# KiCad board CPU.kicad_pcb (continued)
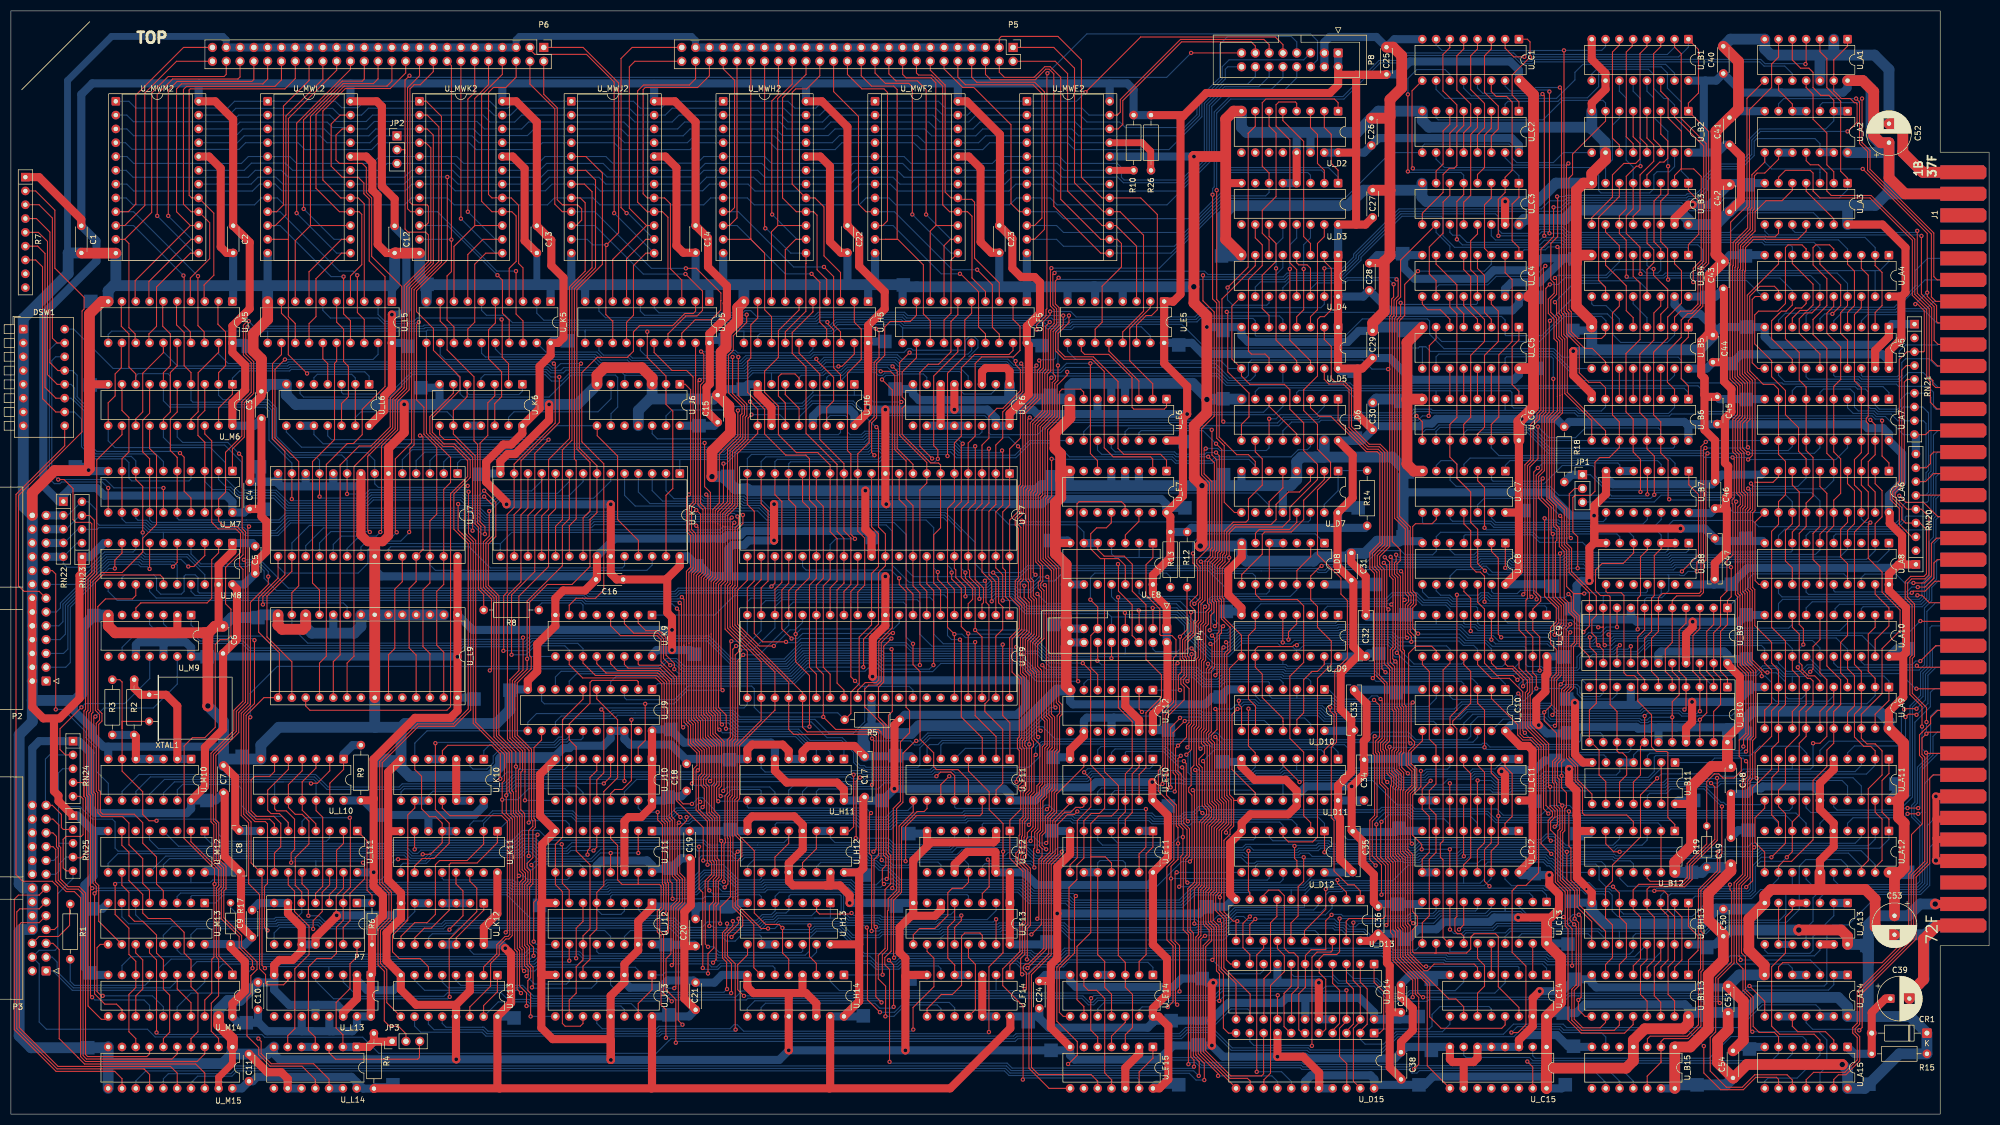
[diagram p0: board, top side]
## Routing (per net, layer and track width the routed paths; a pad name or vN(x,y) marks a point on that pad's centre or on a via; arc(x,y) is an arc through that point) (continued)
  Bottom w0.2: 236.59,63.3 U_D11.4 ; 236.59,63.3 236.53,63.24 236.55,63.22 254.22,63.22 255.96,61.49 260.33,61.49 260.93,62.1 268.84,62.1 269.34,62.6 272.47,62.6 273.57,61.5 274.95,61.5 275.2,61.76 281.55,61.76 282.15,62.36 285.22,62.36 v1(285.33,62.25) 285.63,61.95 301.29,61.95 302.39,63.05 302.39,65.71 302.64,65.96 320.04,65.96 321.77,67.69 329.16,67.69 330.45,66.41 330.45,65.46 ; 236.59,63.3 236.52,63.22 234.13,63.22 233.64,62.74 229.13,62.74 228.49,62.1 217.35,62.1 216.59,62.85 216.59,65.84 v1(216.29,66.14) ; U_K7.3 118,114.72 119.92,112.79 126.8,112.79 127.26,112.34 134.35,112.34 134.71,111.98 137.84,111.98 139.59,110.23 171.76,110.23 174.88,107.1 174.88,100.4 v1(175.64,99.65) ; U_C9.7 267.34,90.35 267.59,90.09 269.49,90.09 270.14,89.44 285.94,89.44 286.72,88.65 v1(286.93,88.65) ; 204.98,84.64 215.43,84.64 216.48,85.69 v1(217.25,85.69) ; 204.98,84.64 205.06,84.71 P4.8 ; 204.98,84.64 191.42,84.64 186.98,89.07 v1(177.42,89.07) ; v1(266.46,33.97) 266.76,34.27 272.61,34.27 273.4,35.07 286.73,35.07 287.63,35.96 v1(287.73,35.96)
DataF.D_{3}: length 416.1
  Top w0.2: v1(258.04,35.13) 257.49,35.68 257.49,47.61 256.58,48.52 256.58,59.29 257.79,60.5 257.79,63.11 256.73,64.16 256.73,75.06 256.42,75.38 256.42,85.25 256.12,85.54 256.12,94.33 v1(256.42,94.63) 256.12,94.92 256.12,99.57 v1(255.79,99.9) ; v1(314.43,20.45) 314.13,20.75 314.13,24.87 317.07,27.81 317.07,41.15 317.07,41.16 317.07,42.54 317.05,42.55 318.65,44.14 318.65,62.3 v1(318.82,62.47) ; P4.6 206.38,88.01 206.35,88.01 206.32,88.05 206.32,93.71 203.8,96.23 203.8,101.12 v1(203.71,101.21) ; v1(180.74,99.65) 181.74,98.65 181.74,94.09 182.5,93.33 182.5,89.22 181.23,87.94 U_F9.39 ; U_BL13.9 289.66,17.99 288.42,19.23 v1(288.42,21.01) 288.93,21.52 288.93,36.26 v1(288.5,36.69)
  Bottom w0.2: v1(314.43,20.45) 314.13,20.75 311.03,20.75 310.47,21.31 288.72,21.31 v1(288.42,21.01) ; v1(288.5,36.69) 288.07,36.69 288.05,36.72 287.42,36.72 286.23,35.52 279.54,35.52 277.79,37.28 274.95,37.28 U_C13.4 ; U_C9.8 264.8,92.89 264.02,93.66 259.68,93.66 258.77,94.57 256.47,94.57 v1(256.42,94.63) ; 340.49,64.8 340.49,64.18 339.33,63.02 319.37,63.02 v1(318.82,62.47) ; U_K7.2 120.54,114.72 122.01,113.25 126.99,113.25 127.44,112.79 134.54,112.79 134.9,112.44 138.03,112.44 139.78,110.68 171.95,110.68 177.42,105.21 177.42,101.26 179.04,99.65 v1(180.74,99.65) 185.83,99.65 187.09,100.91 220.72,100.91 221.69,99.95 230.06,99.95 230.06,99.95 240.25,99.95 240.54,99.66 241.99,99.66 242.53,100.2 255.49,100.2 v1(255.79,99.9) ; v1(258.04,35.13) 261.8,35.13 263.15,36.48 271.64,36.48 272.43,37.28 274.94,37.28 274.94,38.85
DataF.D_{4}: length 390.1
  Top w0.2: v1(175.64,95.27) 175.64,96.95 173.87,98.73 173.87,100.13 173.61,100.39 U_F7.36 173.61,111.42 174.88,112.7 174.88,123.1 v1(175.14,123.36) ; v1(210.1,93.15) 210.14,93.11 P4.3 ; U_C9.13 264.8,82.98 263.53,81.71 263.53,50.26 263.02,49.75 263.02,47.3 263.53,46.79 263.53,32.49 264.78,31.23 ; v1(235.08,87.31) 235.08,88.7 236.59,90.21 U_D9.4
  Bottom w0.2: v1(175.64,95.27) 175.94,95.57 180.28,95.57 180.88,96.17 184.52,96.17 187.24,93.45 209.8,93.45 v1(210.1,93.15) 214.56,93.15 217.29,90.42 217.29,88.85 221.02,85.13 223.75,85.13 226.18,87.55 234.57,87.55 234.82,87.31 v1(235.08,87.31) 235.4,87.62 244.86,87.62 245.04,87.81 253.84,87.81 255.49,86.16 264.17,86.16 264.8,85.52 U_C9.13 ; U_J7.5 72.03,120.44 73.85,122.26 130.99,122.26 132.84,124.11 156.84,124.11 157.49,124.75 160.83,124.75 161.47,124.11 174.38,124.11 v1(175.14,123.36) ; 264.78,31.23 264.78,29.91 264.8,29.9 282.86,29.9 283.33,29.43 297.86,29.43 298.5,30.07 U_BH13.12 298.5,32.74 298.97,33.21 311.93,33.21 313.95,35.23 326.65,35.23 329.06,37.64 329.06,45.64 330.25,46.83 336.76,46.83 337.94,45.65 337.94,43.76
DataF.D_{5}: length 375.5
  Top w0.2: P4.5 207.6,92.62 v1(207.52,92.7) ; v1(178.21,94.82) 178.21,96.93 176.41,98.73 176.41,100 176.15,100.26 U_F7.37 176.15,111.17 177.46,112.48 177.46,122.87 v1(177.42,122.9) ; U_D9.5 234.05,89.4 234.03,89.37 v1(234.03,86.79) ; U_C9.14 267.34,82.73 268.61,81.46 268.61,75.62 265.31,72.31 265.31,71.66 266.07,70.89 266.07,36.37 265.71,36.01 265.71,33.66 266.15,33.22 266.19,33.22 266.19,33.2 266.83,33.2 267.32,32.71 267.32,31.23
  Bottom w0.2: v1(207.52,92.7) 207.22,93 207.16,93 ; U_BH13.11 295.96,33.61 295.91,33.66 ; U_C13.14 267.33,32.94 267.76,33.37 274.99,33.37 275.73,34.11 292.2,34.11 292.65,33.66 311.74,33.66 313.77,35.68 325.45,35.68 326.59,36.83 326.59,40.89 327.79,42.08 U_A12.13 ; U_C9.14 267.34,83.24 266.92,82.82 258.18,82.82 253.65,87.35 245.23,87.35 245.04,87.17 236.17,87.17 235.53,86.54 234.57,86.54 234.32,86.79 v1(234.03,86.79) 233.72,87.1 226.36,87.1 223.94,84.67 220.83,84.67 216.84,88.67 216.84,90.24 214.69,92.38 207.78,92.38 207.16,93 ; 207.16,93 187.05,93 184.33,95.72 181.07,95.72 180.47,95.12 178.51,95.12 v1(178.21,94.82) ; v1(177.42,122.9) 177.12,122.6 174.82,122.6 173.77,123.66 161.29,123.66 160.64,124.3 157.67,124.3 157.03,123.66 133.03,123.66 131.18,121.81 76.14,121.81 74.57,120.23 U_J7.4
DataF.D_{6}: length 380.3
  Top w0.2: U_BH13.10 293.42,33.66 288.64,38.44 288.64,41.44 287.05,43.03 287.05,48.94 286.67,49.32 v1(286.67,55.7) ; P4.7 205.06,92.17 v1(204.98,92.24) ; 274.96,83.86 274.96,82.88 275.42,82.42 276.4,82.42 279.02,79.8 279.02,77.9 278.65,77.53 278.65,71.15 282.01,67.8 282.01,56.19 v1(282.9,55.3) ; v1(180.47,94.36) 180.47,97.97 178.69,99.75 178.69,111.17 179.96,112.45 v1(179.96,122.45)
  Bottom w0.2: 293.44,30.72 293.44,32.23 292.01,33.65 275.92,33.65 274.94,32.68 274.94,31.23 ; v1(282.9,55.3) 283.4,55.8 286.57,55.8 v1(286.67,55.7) 286.97,55.4 325.85,55.4 325.86,55.4 328.45,55.4 330.32,53.52 330.32,51.38 ; U_C9.17 274.96,82.88 274.44,82.37 257.53,82.37 255.77,84.12 254.71,84.12 254.26,84.57 254.26,85.45 253.27,86.45 245.6,86.45 245.42,86.26 237.85,86.26 237.11,85.52 236.59,85.52 ; 236.59,85.52 236.32,85.52 235.8,86.04 233.71,86.04 233.11,86.65 226.55,86.65 224.12,84.22 220.64,84.22 216.38,88.48 216.38,90.05 214.5,91.93 205.3,91.93 v1(204.98,92.24) 204.68,92.54 186.86,92.54 184.14,95.26 181.37,95.26 v1(180.47,94.36) ; 236.59,85.52 U_D9.13 ; v1(179.96,122.45) 179.66,122.15 174.64,122.15 173.58,123.2 161.1,123.2 160.46,123.85 157.86,123.85 157.22,123.2 133.22,123.2 131.37,121.36 78.23,121.36 77.11,120.23 U_J7.3
DataF.D_{7}: length 375.1
  Top w0.2: v1(182.49,94.51) 182.49,99.25 181.23,100.51 U_F7.39 181.23,110.79 182.5,112.06 182.5,121.97 v1(182.38,122.1) ; v1(283.34,50.32) 282.86,50.8 282.86,54.05 283.65,54.84 283.65,55.62 282.46,56.81 282.46,67.99 279.11,71.34 279.11,77.31 279.48,77.68 279.48,80.12 277.5,82.1 U_C9.18 ; U_BH13.9 290.88,35.44 288.19,38.13 288.19,41.25 286.3,43.14 v1(286.3,48.27)
  Bottom w0.2: 79.65,117.87 79.65,120.03 80.52,120.9 131.56,120.9 133.4,122.75 157.41,122.75 158.05,123.39 160.27,123.39 160.91,122.75 173.39,122.75 174.45,121.7 181.97,121.7 v1(182.38,122.1) ; U_D9.12 234.05,82.73 221.49,82.73 215.93,88.29 215.93,89.86 214.32,91.47 202.52,91.47 202.52,91.06 ; 277.48,31.23 277.48,32.68 278.01,33.2 290.2,33.2 290.88,32.52 U_BH13.9 ; v1(182.49,94.51) 184.25,94.51 186.67,92.09 201.89,92.09 202.52,91.46 202.52,91.06 ; 234.06,82.73 234.61,82.73 234.92,82.42 252.33,82.42 252.42,82.51 253.59,82.51 254.19,81.91 276.43,81.91 277.5,82.98 U_C9.18 ; 340.49,51.38 340.49,50.97 339.35,49.84 320.3,49.84 319.65,49.19 314.41,49.19 314.24,49.02 295.61,49.02 294.85,48.27 v1(286.3,48.27) 286.05,48.27 284,50.32 v1(283.34,50.32) ; P4.9 202.52,91.06
DataP.D_{0}: length 648.7
  Top w0.2: 320.93,116.26 320.93,111.05 320.49,110.61 320.49,96.91 320.88,96.52 320.88,89.89 323.98,86.79 323.98,82.98 325.25,81.72 325.25,78.4 ; 320.93,116.26 324.23,116.26 325.25,117.27 325.25,118.53 ; 320.93,116.26 320.93,135.16 319.5,136.59 319.5,150.69 325.25,156.43 U_A4.9 ; v1(321.23,61.8) 320.93,62.1 320.93,66.47 323.98,69.52 323.98,74.22 325.25,75.49 325.25,76.12 325.25,76.13 U_A9.9 ; v1(264.76,60.88) U_C11.11 U_C12.6 ; U_BH13.5 298.5,41.25 299.54,42.29 307.8,42.29 308.89,43.37 308.89,45.91 313.52,50.54 313.52,60.22 v1(312.83,60.91) ; U_M6.3 35.69,129.46 34.42,128.19 34.42,124.89 35.69,123.62 35.69,123.62 U_M7.3 U_M7.18 ; v1(253.1,34.78) 253.4,35.08 253.4,45.92 252.05,47.27 252.05,53.65 v1(252.19,53.79) ; 298.52,25.6 298.52,27.3 299.85,28.63 299.85,36.25 298.52,37.58 298.52,38.85 ; v1(160.2,20.56) 159.15,21.61 159.15,32.87 159.14,32.87 v1(159.14,34.45) 158.83,34.76 158.83,46.86 159.66,47.69 159.66,70.13 159.45,70.34 146.52,70.34 145.67,71.19 U_F9.25 145.67,77.55 133.24,89.99 133.24,96.62 133.7,97.09 133.7,107.71 134.69,108.7 v1(134.69,110.25) ; v1(228.98,35.91) 227.97,34.89 227.97,31.98
  Bottom w0.2: v1(252.19,53.79) 253.48,55.08 256.86,55.08 257.6,54.33 263.73,54.33 264.76,53.3 U_C12.6 ; v1(159.14,34.45) 159.44,34.15 159.55,34.15 159.84,34.43 170.55,34.43 171.01,34.89 181.51,34.89 181.82,35.19 193.86,35.19 194.75,34.31 218.07,34.31 218.22,34.46 222.83,34.46 223.55,35.18 224.26,35.18 225.46,36.37 226.82,36.37 227.59,35.61 228.68,35.61 v1(228.98,35.91) 243.5,35.91 244.17,35.24 245.64,35.24 246.4,34.48 247.42,34.48 248.01,35.08 252.8,35.08 v1(253.1,34.78) ; v1(160.2,20.56) 159.9,20.86 136.89,20.86 135.51,19.48 U_H14.9 ; v1(264.76,60.88) 265.06,60.58 272.56,60.58 273.01,60.14 275.51,60.14 275.77,60.4 282.12,60.4 282.71,60.99 284.23,60.99 284.64,60.58 304.25,60.58 304.87,61.21 312.53,61.21 v1(312.83,60.91) 314.1,60.91 314.45,61.26 319.64,61.26 320.17,61.8 v1(321.23,61.8) 321.33,61.9 338.97,61.9 340.49,60.38 U_A11.18 ; v1(134.69,110.25) 134.5,110.25 133.77,110.98 131.89,110.98 131.29,110.38 106.73,110.38 106.11,109.76 87.47,109.76 86.63,110.59 86.63,110.6 86.17,111.05 50.65,111.05 48.35,113.35 41.75,113.35 40.19,114.91 37.16,114.91 35.69,116.39 U_M7.3
DataP.D_{1}: length 638.7
  Top w0.2: 30.6,134.29 30.6,129.2 29.34,127.94 29.34,122.1 30.61,120.83 30.6,120.82 30.6,111.43 ; v1(323.2,81.27) 322.77,81.27 320.43,83.61 320.43,96.33 320.04,96.72 320.04,110.8 320.48,111.24 320.48,115.73 v1(320.18,116.03) ; 330.32,78.4 330.32,75.36 329.06,74.09 329.06,69.77 326.52,67.23 326.52,60.88 325.25,59.61 325.25,57.18 ; v1(323.94,47.27) 326.52,49.85 326.52,55.3 325.25,56.57 U_A11.12 ; v1(267.34,47.45) 267.3,47.48 U_C12.5 U_C11.12 ; U_BH13.6 295.96,40.7 v1(294.81,41.85) ; U_H14.7 136.7,26.95 136.7,34.87 133.3,38.27 133.3,39.61 133.31,39.62 133.31,47.87 v1(133.73,48.3) ; U_BL13.6 295.96,27.53 297.25,28.82 297.25,35.03 295.98,36.31 295.98,38.85 ; v1(158.71,48.3) 159.2,48.79 159.2,69.44 158.76,69.88 144.04,69.88 143.13,70.79 U_F9.24 143.13,79.45 132.78,89.8 132.78,96.8 133.25,97.27 133.25,107.24 133.25,107.24 133.25,107.9 133.86,108.51 133.86,109.78 v1(133.68,109.97) ; 330.32,118.53 330.32,120.58 328.94,121.97 328.94,126.29 326.52,128.71 326.52,133.15 323.98,135.69 323.98,138.61 320.86,141.73 320.86,147.05 321.57,147.75 325.12,147.75 326.52,149.15 326.52,159.44 327.03,159.94 329.57,159.94 330.33,159.18 330.32,159.18 U_A4.7 ; v1(237.87,47.27) 237.87,42.85 236.86,41.83 236.86,36.49 235.54,35.17 235.54,31.93
  Bottom w0.2: 30.6,110.7 30.6,109.66 30.93,109.33 43.31,109.33 43.32,109.34 49.34,109.34 50.6,110.6 85.98,110.6 86.44,110.14 86.44,110.14 87.28,109.3 106.3,109.3 106.92,109.92 131.48,109.92 132.08,110.52 133.12,110.52 v1(133.68,109.97) ; v1(323.2,81.27) 323.26,81.2 324.87,81.2 326.52,79.56 326.52,76.89 326.98,76.43 329.49,76.43 330.33,77.27 330.33,77.9 ; v1(294.81,41.85) 294.77,41.89 293.45,41.89 292.23,43.1 292.23,45.39 291.62,46 288.8,46 288.5,45.7 284.98,45.7 283.64,47.04 283.22,47.04 282.51,47.75 267.64,47.75 v1(267.34,47.45) 266.96,47.07 259.37,47.07 259.04,46.74 256.53,46.74 256.3,46.97 238.17,46.97 v1(237.87,47.27) 237.84,47.23 227.03,47.23 226.58,47.68 194.47,47.68 193.37,46.59 188.36,46.59 186.8,48.16 183.49,48.16 182.89,47.56 181.72,47.56 181.64,47.64 181.64,47.71 180.74,48.61 174.95,48.61 174.09,47.75 161.87,47.75 161.02,48.6 159.01,48.6 v1(158.71,48.3) 158.41,48.6 137.02,48.6 137.01,48.6 134.03,48.6 v1(133.73,48.3) ; U_BH13.6 295.96,37.6 296.73,36.82 304.24,36.82 304.93,37.52 304.93,40.06 305.44,40.56 319.9,40.56 320.52,41.18 320.52,45.72 322.07,47.27 v1(323.94,47.27) ; U_A6.7 330.32,117.02 328.8,115.5 320.71,115.5 v1(320.18,116.03)
DataP.D_{2}: length 632
  Top w0.2: 20.45,111.43 20.45,120.57 21.72,121.84 21.72,128.18 20.45,129.46 U_M6.9 ; v1(302.91,61.79) 299.85,58.74 299.85,50.98 294.7,45.82 294.7,42.9 293.42,41.63 U_BH13.7 293.42,36.07 294.7,34.8 294.7,28.81 293.42,27.53 U_BL13.7 ; v1(319.66,115.11) 320.02,114.75 320.02,111.43 319.58,110.99 319.58,96.53 319.97,96.14 319.97,83.42 322.16,81.24 v1(322.16,80.59) ; v1(331.6,68.25) 332.87,68.25 334.14,69.52 334.14,74.09 335.4,75.36 U_A9.5 ; v1(241.94,41.41) 241.94,37.67 238.03,33.76 238.03,31.88 ; U_A4.5 335.4,159.18 335.41,159.18 334.65,159.94 332.11,159.94 331.6,159.44 331.6,156.26 334.14,153.72 334.14,148.77 331.6,146.23 331.6,143.43 334.14,140.89 334.14,121.59 335.4,120.33 335.4,118.53 ; U_C11.14 U_C12.3 272.38,49.93 271.15,48.69 271.15,42.85 v1(272.06,41.94) ; v1(133.11,108.82) 132.8,108.51 132.8,107.43 132.79,107.43 132.79,97.46 132.33,96.99 132.33,89.61 140.59,81.35 U_F9.23 140.59,74.34 140.58,74.34 134.09,67.84 134.09,58.05 133.66,57.62 133.66,51.6 136.78,48.47 136.78,37.01 138.88,34.91 141.33,34.91 v1(141.96,34.27) 141.99,34.24 141.99,29.64 143.13,28.5 U_H14.5
  Bottom w0.2: v1(133.11,108.82) 132.92,109.02 107.29,109.02 106.67,108.39 86.91,108.39 86.07,109.23 86.06,109.23 85.61,109.69 50.99,109.69 48.67,107.37 43.51,107.37 42.91,107.97 25.66,107.97 24.81,108.82 21.16,108.82 20.45,109.53 U_M7.12 ; U_A11.8 327.79,63.48 326.72,63.48 ; v1(141.96,34.27) 142.26,33.97 147.25,33.97 147.85,34.57 152.66,34.57 153.41,33.81 153.45,33.81 154.77,32.49 159.82,32.49 160.4,33.07 171.12,33.07 171.57,33.53 182.08,33.53 182.38,33.83 193.3,33.83 195.09,32.04 223.13,32.04 224.41,33.32 237.75,33.32 238.03,33.05 238.03,31.88 ; v1(319.66,115.11) 319.73,115.05 333.82,115.05 335.4,116.63 U_A6.5 ; U_A9.5 335.4,76.98 334.4,75.97 324.74,75.97 323.98,76.73 323.98,79.42 322.81,80.59 v1(322.16,80.59) ; 326.72,63.48 318.76,63.48 317.45,62.17 314.68,62.17 314.25,62.61 303.72,62.61 v1(302.91,61.79) ; 326.72,63.48 331.15,63.48 331.6,63.93 v1(331.6,68.25) ; v1(241.94,41.41) 241.94,41.4 244.77,41.4 244.95,41.58 272.04,41.58 ; 272.04,41.58 281.95,41.58 282.33,41.2 289.04,41.2 289.71,40.53 293.08,40.53 293.42,40.18 U_BH13.7 ; 272.04,41.58 272.06,41.6 v1(272.06,41.94) 272.04,41.91 272.04,41.58
DataP.D_{3}: length 621
  Top w0.2: U_H14.3 148.21,27.74 146.94,29.01 v1(146.94,34.72) ; 25.52,111.43 25.52,120.57 25.53,120.57 24.26,121.84 24.26,127.69 25.52,128.95 U_M6.7 ; v1(132.64,109.77) 132.34,109.47 132.34,107.62 132.34,107.62 132.34,97.65 131.87,97.18 131.87,89.42 138.05,83.25 U_F9.22 138.05,72.45 133.63,68.03 133.63,58.24 133.2,57.81 133.2,51.41 134.5,50.12 134.5,47.42 133.76,46.69 133.76,39.43 133.75,39.42 133.75,38.46 138.06,34.15 v1(139.32,34.15) ; U_A4.3 340.49,155.63 341.76,154.36 341.76,128.41 341.39,128.04 341.39,127.42 341.76,127.04 341.76,121.59 340.49,120.31 340.49,115.75 341.76,114.48 341.76,109.65 339.22,107.11 339.22,82.73 340.49,81.46 340.49,81.45 340.49,74.85 339.22,73.58 339.22,69.39 340.94,67.67 342.21,67.67 343.02,66.86 U_A11.2 ; 301.06,38.87 301.06,41.38 301.51,41.83 307.99,41.83 309.34,43.19 309.34,45.73 313.97,50.35 313.97,61.82 v1(313.93,61.85) ; 301.06,38.85 301.06,37.58 302.39,36.25 302.39,28.37 301.06,27.04 301.06,25.6 ; v1(251.25,53.32) 251.25,47.42 252.95,45.73 252.95,36.46 252.48,35.99 246.21,35.99 245.7,35.48 245.7,31.93 ; v1(269.88,61.39) 269.84,61.36 U_C11.13 U_C12.4
  Bottom w0.2: 146.64,35.02 141.44,35.02 140.57,34.15 v1(139.32,34.15) ; 146.64,35.02 146.94,35.02 ; 146.64,35.02 v1(146.94,34.72) 146.94,35.02 ; 146.94,35.02 152.84,35.02 153.6,34.27 153.63,34.27 154.96,32.94 159.63,32.94 160.22,33.53 170.93,33.53 171.38,33.98 181.89,33.98 182.2,34.29 193.49,34.29 194.38,33.4 218.45,33.4 218.6,33.55 223.35,33.55 224.04,34.23 243.24,34.23 243.6,33.88 244.88,33.88 245.75,33.01 U_D13.19 ; U_M7.14 25.52,109.39 26.04,108.87 43.5,108.87 43.51,108.88 49.53,108.88 50.79,110.14 85.8,110.14 86.25,109.69 86.26,109.69 87.09,108.85 106.48,108.85 107.11,109.47 132.34,109.47 v1(132.64,109.77) ; U_C12.4 269.84,53.48 269.88,53.52 268.61,54.79 257.79,54.79 257.05,55.53 252.84,55.53 251.25,53.94 v1(251.25,53.32) ; 343.02,64.8 343.02,64.18 341.41,62.57 320.3,62.57 319.45,61.72 314.07,61.72 v1(313.93,61.85) ; 313.82,61.74 304.76,61.74 304.06,61.04 284.83,61.04 284.42,61.45 282.53,61.45 281.93,60.85 275.58,60.85 275.33,60.59 273.19,60.59 272.4,61.39 v1(269.88,61.39)
DataP.D_{4}: length 731.9
  Top w0.2: v1(163.45,98.59) 163.45,97.46 164.72,96.19 164.72,74.85 165.36,74.22 165.36,70.16 163.68,68.49 163.68,57.57 162.35,56.24 162.35,41.77 v1(162.17,41.59) ; U_A4.18 340.49,148.39 340.49,148.39 339.22,147.12 339.22,134.93 340.49,133.66 U_A7.18 340.49,121.72 340.49,121.72 339.22,120.45 339.22,115.75 340.49,114.48 U_A6.18 ; U_M14.12 20.45,19.23 19.43,20.24 17.28,20.24 15.4,22.13 v1(15.4,40.61) 15.71,40.92 15.71,41.88 15.1,42.49 15.1,58.77 14.8,59.07 14.8,73.63 15.1,73.93 15.1,98.04 16.72,99.65 20.48,99.65 24.26,103.43 24.26,105.96 26.8,108.5 26.8,121.21 25.52,122.48 U_M6.14 ; 303.6,25.6 303.6,27.04 304.93,28.37 304.93,36.5 303.6,37.83 303.6,38.85 ; v1(342.14,108.85) 341.76,108.47 341.76,102.29 344.3,99.75 344.3,96.06 347.61,92.76 347.61,88.96 344.3,85.65 344.3,77.39 340.49,73.58 U_A9.18 340.49,69.15 341.51,68.12 343.03,68.12 344.3,66.85 344.3,62.41 341.76,59.87 341.76,46.66 340.49,45.38 340.49,43.76 ; v1(227.71,48.44) 227.71,41.07 227.97,40.82 227.97,38.85 ; v1(259.59,48.73) 259.59,49.64 257.94,51.29 257.94,58.72 259.45,60.23 v1(259.45,63.15) ; v1(264.76,48.73) U_C12.11
  Bottom w0.2: v1(342.14,108.85) 341.17,108.85 340.49,109.53 U_A6.18 ; v1(227.71,48.44) 228.01,48.14 236.8,48.14 237.14,48.48 240.54,48.48 241.01,48.94 242,48.94 242.6,48.33 256.87,48.33 257.1,48.1 258.47,48.1 259.1,48.73 v1(259.59,48.73) 264.76,48.73 v1(264.76,48.73) 265.14,49.11 283.92,49.11 285.09,47.94 285.09,47.77 285.8,47.06 286.98,47.06 287.28,47.36 294.85,47.36 295.15,47.06 314.57,47.06 314.94,47.42 319.92,47.42 ; 319.92,47.42 321.58,47.42 322.18,48.02 338.11,48.02 340.49,45.64 340.49,44.48 ; 319.92,47.42 320.06,47.42 320.06,41.46 319.62,41.02 304.37,41.02 303.58,40.23 U_BH13.3 ; v1(259.45,63.15) 260.06,63.15 260.37,63.46 264.33,63.46 264.76,63.9 U_C11.6 ; v1(15.4,40.61) 15.92,41.13 37.97,41.13 38.57,41.73 91.82,41.73 92.21,41.34 109.73,41.34 110.12,41.73 125.65,41.73 127.89,43.97 131.09,43.97 133.35,41.71 133.38,41.74 138.36,41.74 138.82,42.2 154.3,42.2 155.21,41.29 161.87,41.29 v1(162.17,41.59) 162.47,41.29 185.48,41.29 187.52,39.24 194.43,39.24 195.19,38.47 215.35,38.47 217.66,40.78 227.75,40.78 227.97,40.56 227.97,39.8 ; v1(163.45,98.59) 161.94,100.1 146.33,100.1 145.67,100.77 U_F7.25
DataP.D_{5}: length 698.3
  Top w0.2: 306.14,38.85 306.14,37.58 307.47,36.25 307.47,28.37 306.14,27.04 306.14,25.6 ; v1(160.65,42.34) 160.35,42.64 160.35,45.08 160.99,45.72 160.99,47.22 160.57,47.65 160.57,71.49 157.1,74.95 157.1,78.21 157.85,78.95 159.4,78.95 160.15,79.7 160.15,86.78 161.9,88.53 v1(162.3,88.53) ; U_M6.12 20.45,125.01 15.8,120.37 15.8,99.38 14.65,98.22 14.65,74.12 14.35,73.82 14.35,58.88 14.65,58.58 14.65,41.88 v1(14.96,41.57) 14.65,41.26 14.65,21.81 v1(14.95,21.51) ; 325.25,43.76 325.25,45.64 326.12,46.51 327.64,46.51 331.6,50.47 331.6,61.39 334.14,63.93 334.14,66.98 335.4,68.25 335.4,74.09 336.68,75.36 336.68,79.93 334.14,82.47 334.14,106.98 335.4,108.25 335.4,112.95 336.68,114.22 336.68,120.57 335.4,121.85 335.4,133.9 336.68,135.18 336.68,141.15 334.14,143.69 334.14,147.37 335.4,148.64 U_A4.16 ; U_F7.24 143.13,97.71 141.86,96.44 141.86,89.29 v1(143.65,87.5) ; U_C11.5 267.3,63.97 268.61,62.66 268.61,47.17 267.3,45.86 U_C12.12
  Bottom w0.2: v1(162.3,88.53) 162.21,88.44 145.7,88.44 144.76,87.5 v1(143.65,87.5) ; v1(14.96,41.57) 14.98,41.59 37.78,41.59 38.38,42.19 92.01,42.19 92.4,41.8 109.54,41.8 109.93,42.19 125.47,42.19 127.71,44.43 131.28,44.43 133.51,42.2 138.17,42.2 138.63,42.65 154.49,42.65 155.39,41.74 160.05,41.74 v1(160.65,42.34) 160.78,42.47 162.44,42.47 163.16,41.74 185.66,41.74 187.71,39.69 194.61,39.69 195.38,38.93 215.16,38.93 217.47,41.24 235.59,41.24 ; 235.59,41.24 235.59,38.85 ; 235.59,41.24 238.16,41.24 239.54,42.62 242.68,42.62 242.98,42.31 244.4,42.31 244.57,42.49 270.34,42.49 271.15,43.3 271.15,45.77 271.76,46.38 281.94,46.38 282.65,45.67 283.08,45.67 286.59,42.16 290.21,42.16 291.39,40.98 293.97,40.98 294.65,40.3 294.65,37.38 295.66,36.37 309.37,36.37 312.66,39.66 320.28,39.66 321.95,41.33 323.22,41.33 325.25,43.36 325.25,44.47 ; v1(14.95,21.51) 15.45,21.01 24.51,21.01 25.52,20 U_M14.14 ; U_BH13.2 306.12,36.37 ; U_C12.12 267.3,42.49
DataP.D_{6}: length 679.6
  Top w0.2: 308.68,38.85 308.68,34.53 310.44,32.76 310.44,30.14 308.68,28.38 308.68,25.6 ; U_A6.14 330.32,108.12 329.06,106.86 329.06,90.09 329.82,89.33 329.82,86.41 v1(329.81,86.4) ; 43.16,101.27 43.16,100.56 43.16,100.56 43.16,100.56 43.16,75.8 41.47,74.11 41.47,70.41 37.27,66.2 37.27,53.98 37.8,53.45 37.8,46.74 39.13,45.4 39.13,41.65 38.73,41.25 38.73,35.94 42,32.67 42,30.66 44.46,28.21 v1(44.46,26.86) ; 43.16,101.27 43.16,101.71 v1(42.86,102.01) ; 43.16,101.27 43.16,107.2 42.55,107.81 42.55,120.97 v1(41.99,121.52) ; v1(328.81,82.22) 328.81,81.96 330.58,80.19 331.09,80.19 331.6,79.68 331.6,75.36 330.32,74.09 U_A9.14 ; v1(326.77,47.27) 327.79,48.28 U_A12.8 ; U_F7.23 140.59,97.72 v1(139.96,97.09) ; U_A4.14 330.32,149.14 329.51,148.33 328.37,148.33 326.52,146.48 326.52,142.67 329.06,140.13 329.06,135.05 330.33,133.78 330.32,133.78 330.32,122.1 331.6,120.83 331.6,113.72 330.32,112.44 330.32,110.91 ; U_C11.3 272.38,62.82 273.69,61.52 v1(273.69,54.85) 273.69,49.71 272.38,48.4 U_C12.14 ; 327.79,51.38 327.79,53.77 329.06,55.04 329.06,68.25 330.32,69.51 330.32,70.78 ; v1(188.85,35.95) 189.15,36.25 189.15,46.86 189.74,47.45 189.74,48.84 189.29,49.29 189.29,51.49 189.89,52.09 189.89,57.6 190.6,58.31 190.6,59.65 191.14,60.2 191.14,66.98 191.6,67.44 191.6,72.86 191,73.46 191,98.55 v1(190.7,98.85)
  Bottom w0.2: v1(273.69,54.85) 273.93,54.85 274.23,54.55 284.22,54.55 284.62,54.95 325.67,54.95 325.67,54.94 326.62,54.94 327.79,53.78 U_A12.8 ; v1(139.96,97.09) 139.66,96.79 139.48,96.79 ; 30.6,126.67 30.6,124.59 31.6,123.6 39.92,123.6 v1(41.99,121.52) ; 238.03,39.5 238.03,38.13 237.92,38.02 225.18,38.02 223.7,36.54 222.11,36.54 220.94,35.36 218.52,35.36 218.07,35.81 188.99,35.81 v1(188.85,35.95) ; 139.48,96.79 140.08,97.39 140.08,97.39 179.53,97.39 180.13,97.99 188.35,97.99 189.21,98.85 v1(190.7,98.85) ; 139.48,96.79 122.77,96.79 122.15,96.17 106.61,96.17 106,96.79 51.06,96.79 45.84,102.01 v1(42.86,102.01) ; v1(326.77,47.27) 326.02,46.51 321.96,46.51 320.97,45.53 320.97,40.99 320.09,40.11 309.92,40.11 U_BH13.1 ; v1(329.81,86.4) 329.06,85.65 329.06,82.47 v1(328.81,82.22) ; 238.13,38.85 238.13,40.56 239.73,42.16 242.49,42.16 242.8,41.86 244.59,41.86 244.76,42.03 271.09,42.03 272.38,43.32 U_C12.14 ; v1(44.46,26.86) 43.15,25.55 43.15,23.82 41.6,22.28 33.15,22.28 30.6,19.73 30.6,17.99
DataP.D_{7}: length 708.9
  Top w0.2: 320.46,49.52 320.46,49.38 v1(320.76,49.08) ; 320.46,49.52 320.46,42.92 v1(319.31,41.77) ; 320.46,49.52 320.46,60.03 321.47,61.04 321.54,61.04 323.98,63.48 323.98,67.23 325.25,68.5 325.25,68.51 U_A9.12 ; v1(161.15,43.27) 161.45,43.57 161.45,47.41 161.02,47.84 161.02,71.67 159.64,73.05 159.64,78.55 160.6,79.51 160.6,86.09 v1(162.02,87.51) ; U_C12.13 269.84,48.61 271.15,49.92 271.15,62.92 269.84,64.22 U_C11.4 ; v1(244.08,43.07) 244.08,42.48 245.75,40.82 245.75,38.85 ; U_BL13.15 306.12,20.83 304.93,22.02 304.93,27.1 306.12,28.29 U_BH13.15 306.12,36.33 304.88,37.57 304.88,40.36 304.16,41.08 v1(302.39,41.08) ; U_F7.22 138.05,98.34 136.78,97.08 136.78,88.44 138.33,86.89 v1(142.62,86.89) ; U_M14.18 35.69,21 36.96,22.28 36.96,28.49 37.37,28.89 37.37,42.24 v1(37.47,42.34) 37.47,42.35 37.47,45.14 31.88,50.72 31.88,67.74 33.4,69.27 35.69,69.27 37.6,71.18 37.6,86.42 38.48,87.3 39.75,87.3 40.5,88.04 40.5,92.91 39.5,93.9 39.5,100.6 42.25,103.35 42.25,106.82 41.4,107.67 38.18,107.67 36.96,108.89 36.96,123.88 35.69,125.15 U_M6.18 ; 325.25,131.74 325.25,121.4 326.52,120.12 326.52,113.97 325.25,112.69 325.25,108.5 323.98,107.24 323.98,89.59 326.52,87.05 326.52,75.36 325.25,74.09 325.25,70.78 ; 325.25,150.54 325.25,151.56 324.49,152.32 321.78,152.32 319.95,150.5 319.95,136.78 322.45,134.28 324.34,134.28 325.25,133.38 U_A7.9
  Bottom w0.2: v1(319.31,41.77) 319.01,41.47 302.78,41.47 v1(302.39,41.08) 302.38,41.07 294.52,41.07 294.16,41.43 291.58,41.43 290.4,42.62 286.78,42.62 283.27,46.13 282.84,46.13 282.13,46.84 270.56,46.84 269.88,46.15 269.84,46.15 ; v1(320.76,49.08) 321.06,49.38 341.82,49.38 343.02,50.59 U_A12.2 ; 269.84,46.15 U_C12.13 ; 269.84,46.15 269.84,46.16 259.74,46.16 259.41,45.83 257.15,45.83 254.26,42.94 244.38,42.94 244.3,42.85 v1(244.08,43.07) 244.08,43.07 239.35,43.07 237.97,41.69 217.28,41.69 214.97,39.38 195.57,39.38 194.8,40.15 187.9,40.15 185.85,42.2 163.35,42.2 162.28,43.27 v1(161.15,43.27) 160.32,43.27 159.24,42.2 155.58,42.2 154.68,43.1 138.44,43.1 137.99,42.65 133.7,42.65 131.47,44.88 127.52,44.88 125.28,42.64 109.74,42.64 109.35,42.25 92.58,42.25 92.19,42.64 37.77,42.64 v1(37.47,42.34) ; v1(142.62,86.89) 142.77,86.75 144.65,86.75 145.41,87.51 v1(162.02,87.51)
